# Altium PCB HYDRA_V3_BEACON.PcbDoc (part 1 of 2) (continued)
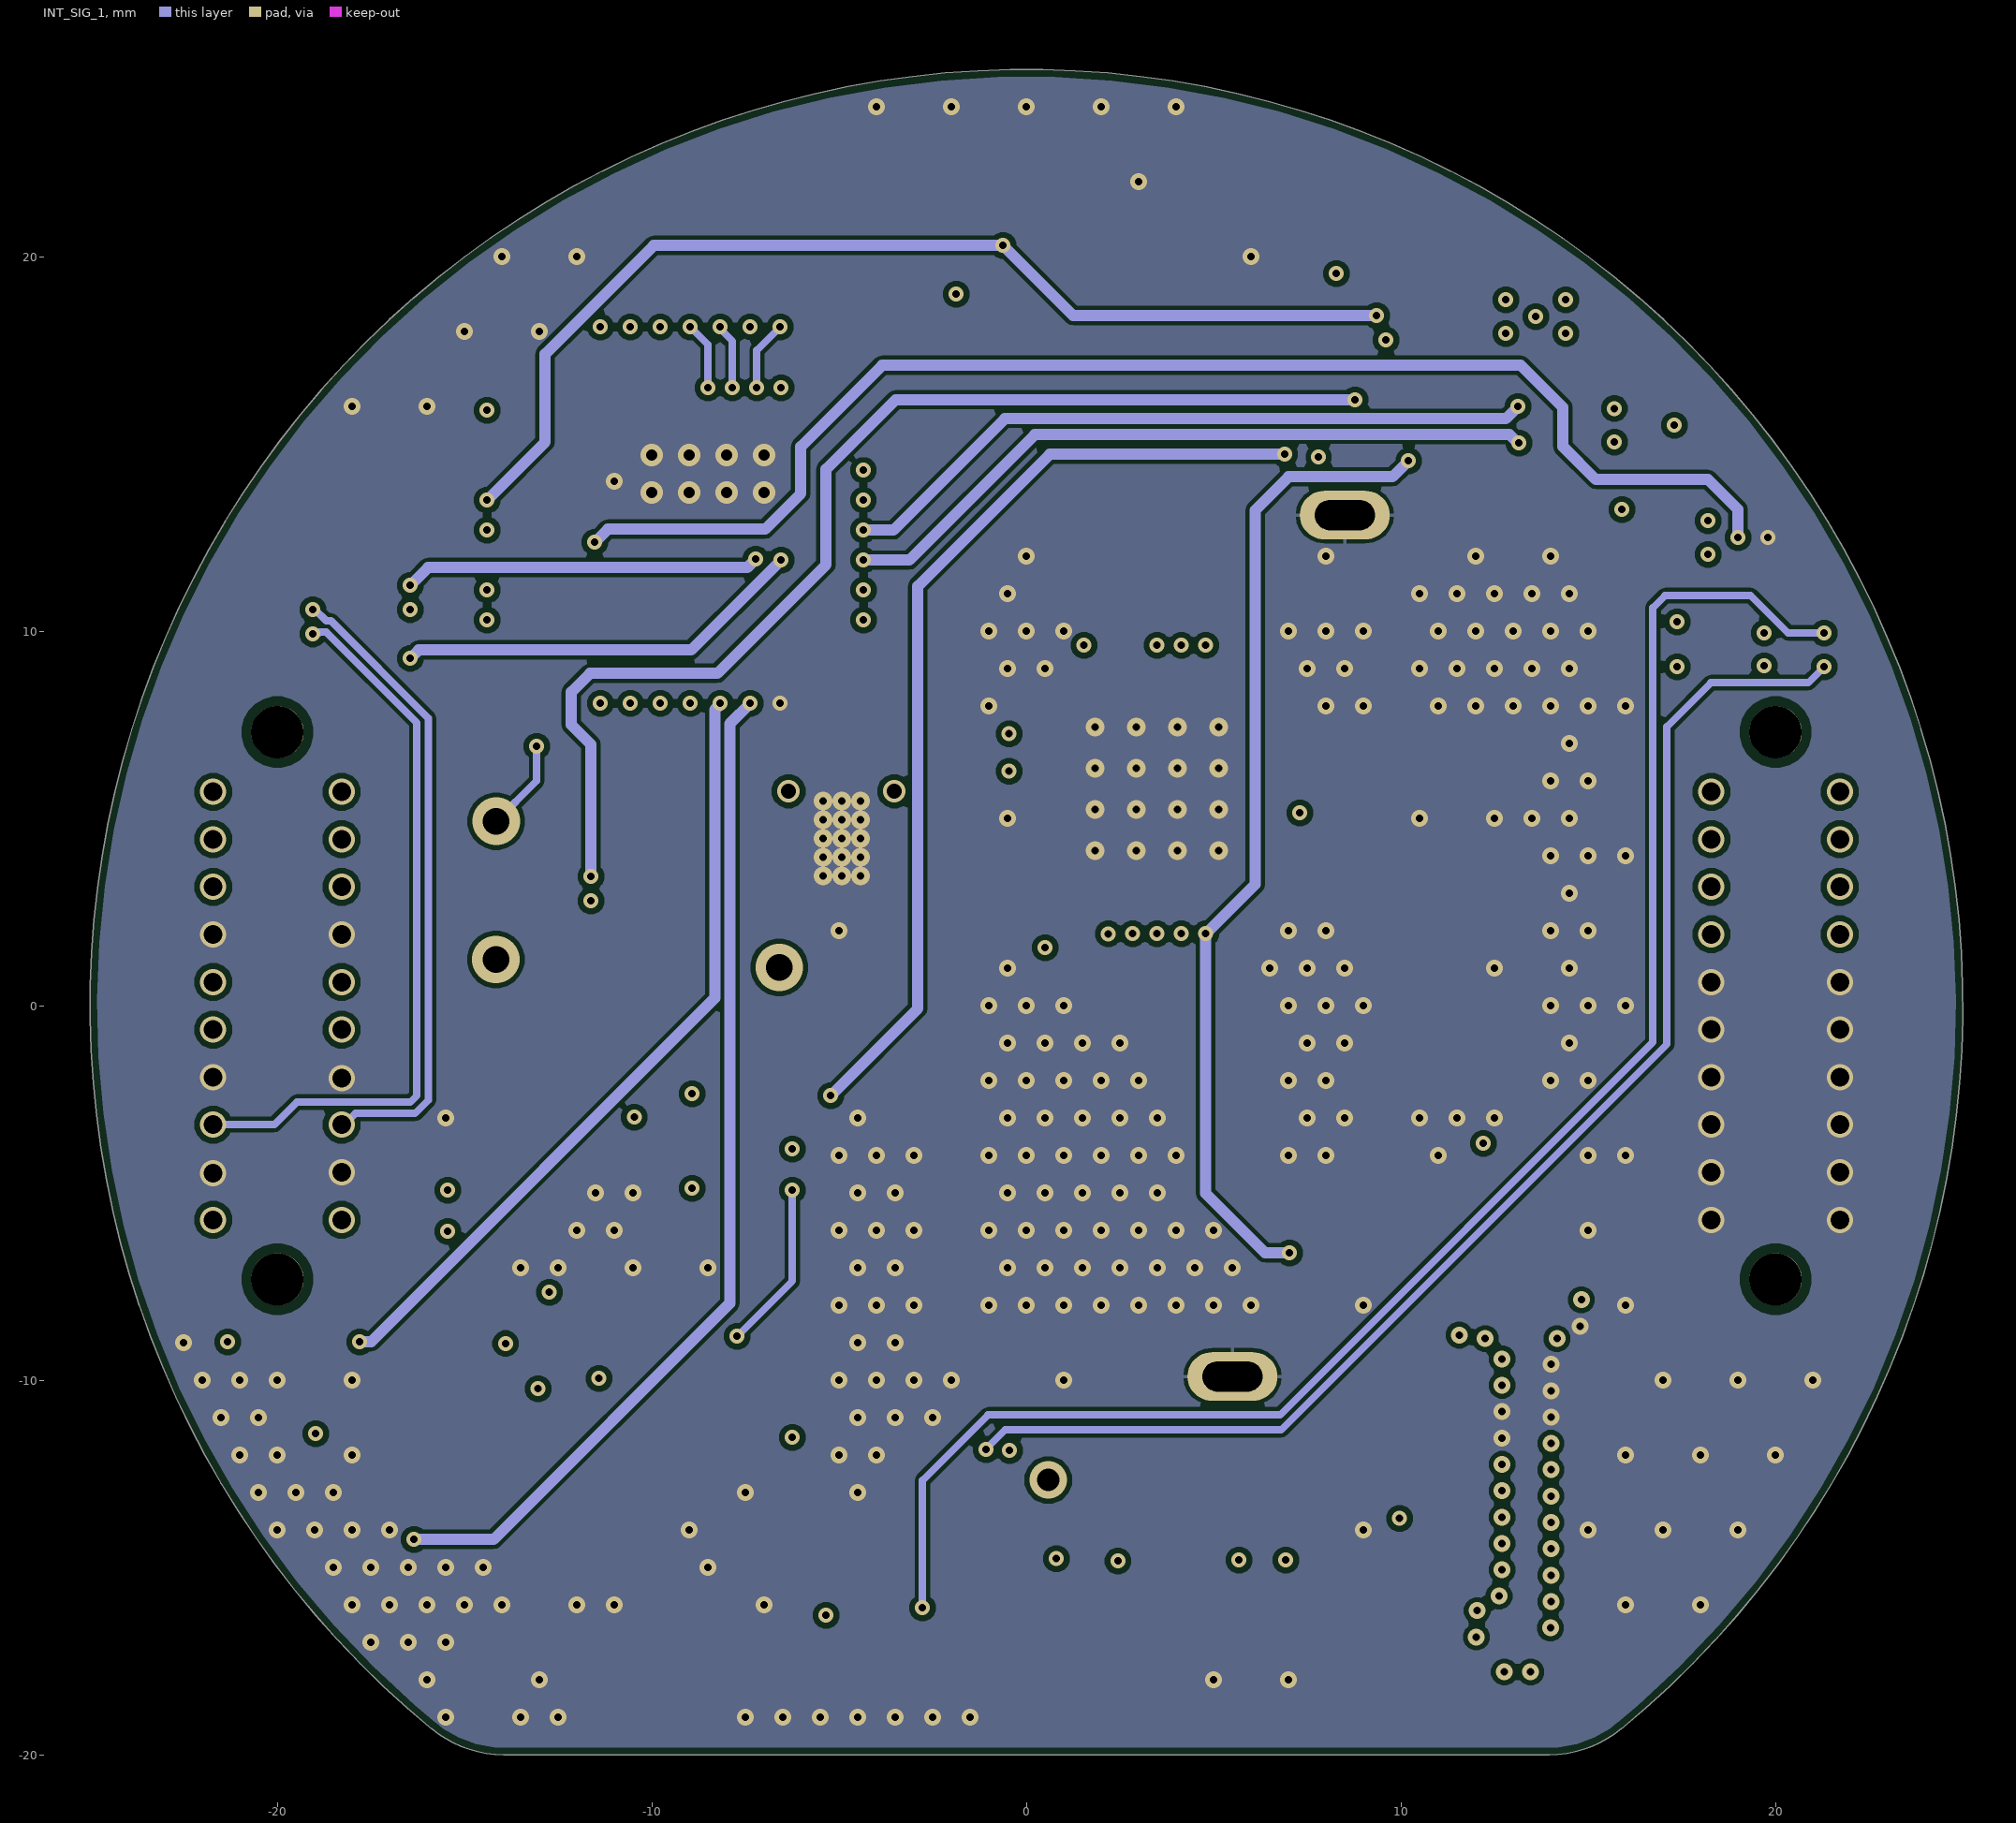
[diagram p4: INT_SIG_1]
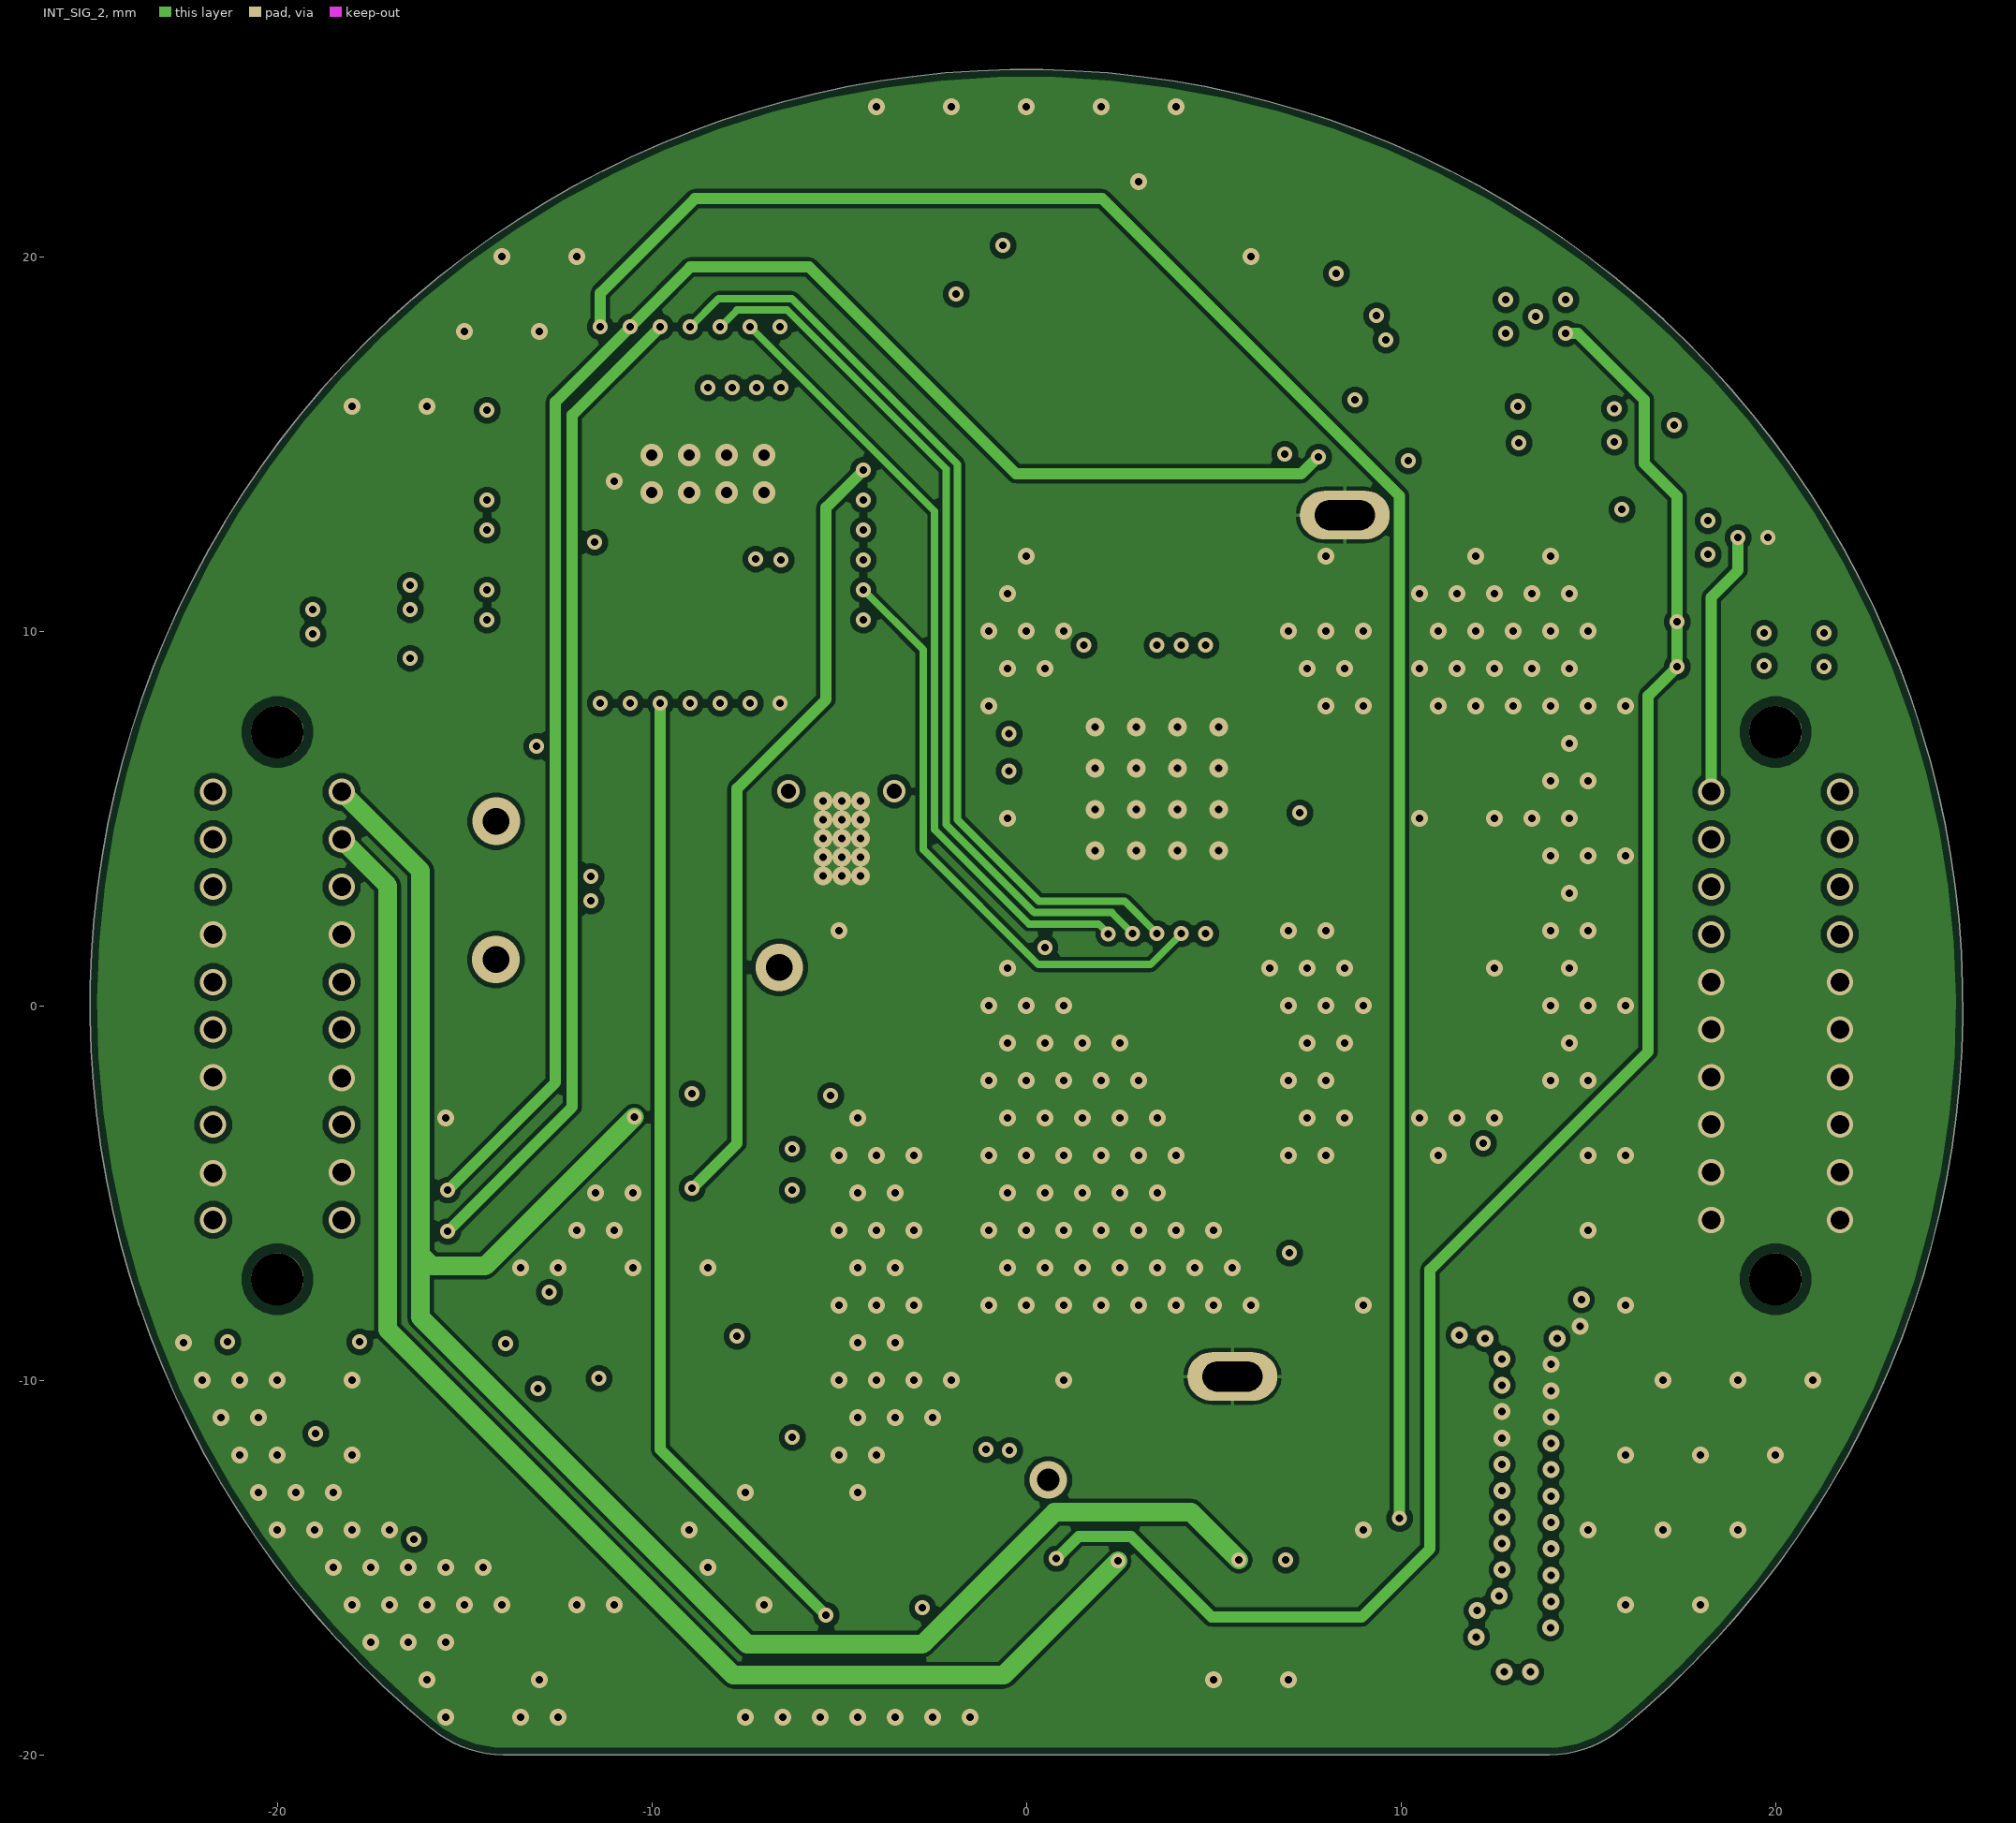
[diagram p5: INT_SIG_2]
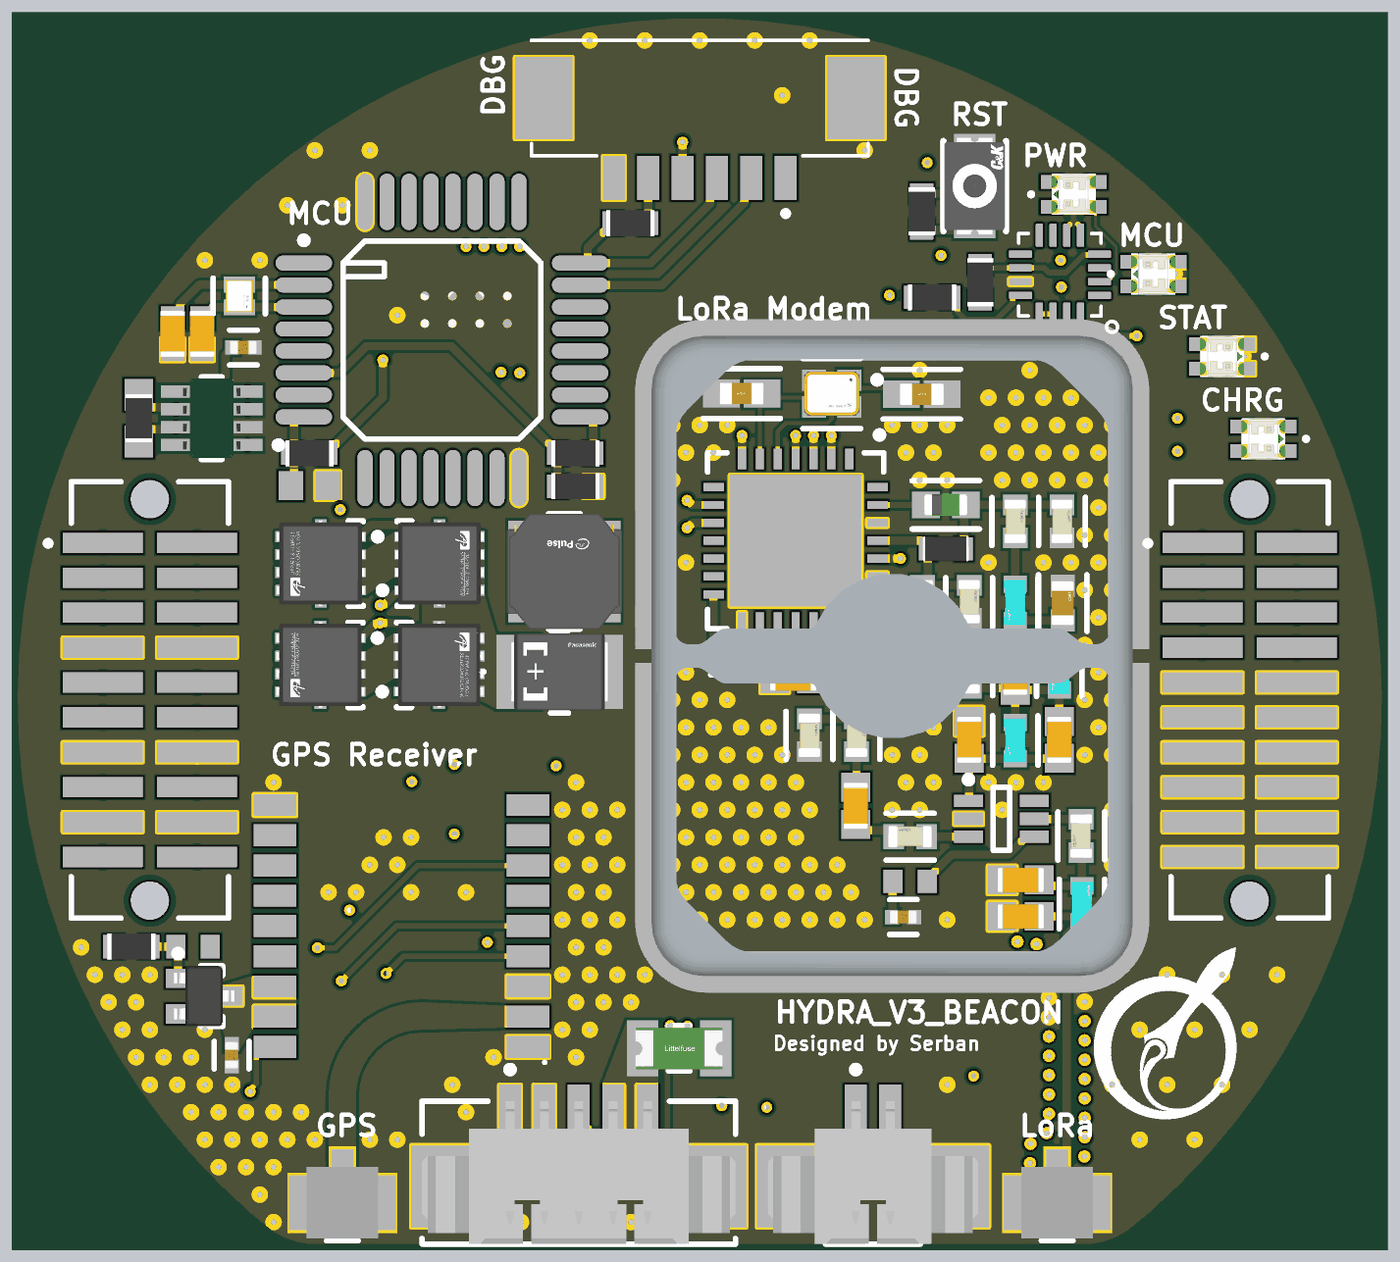
[diagram p7: 3D render of the assembled board from above, using the file's embedded part models]
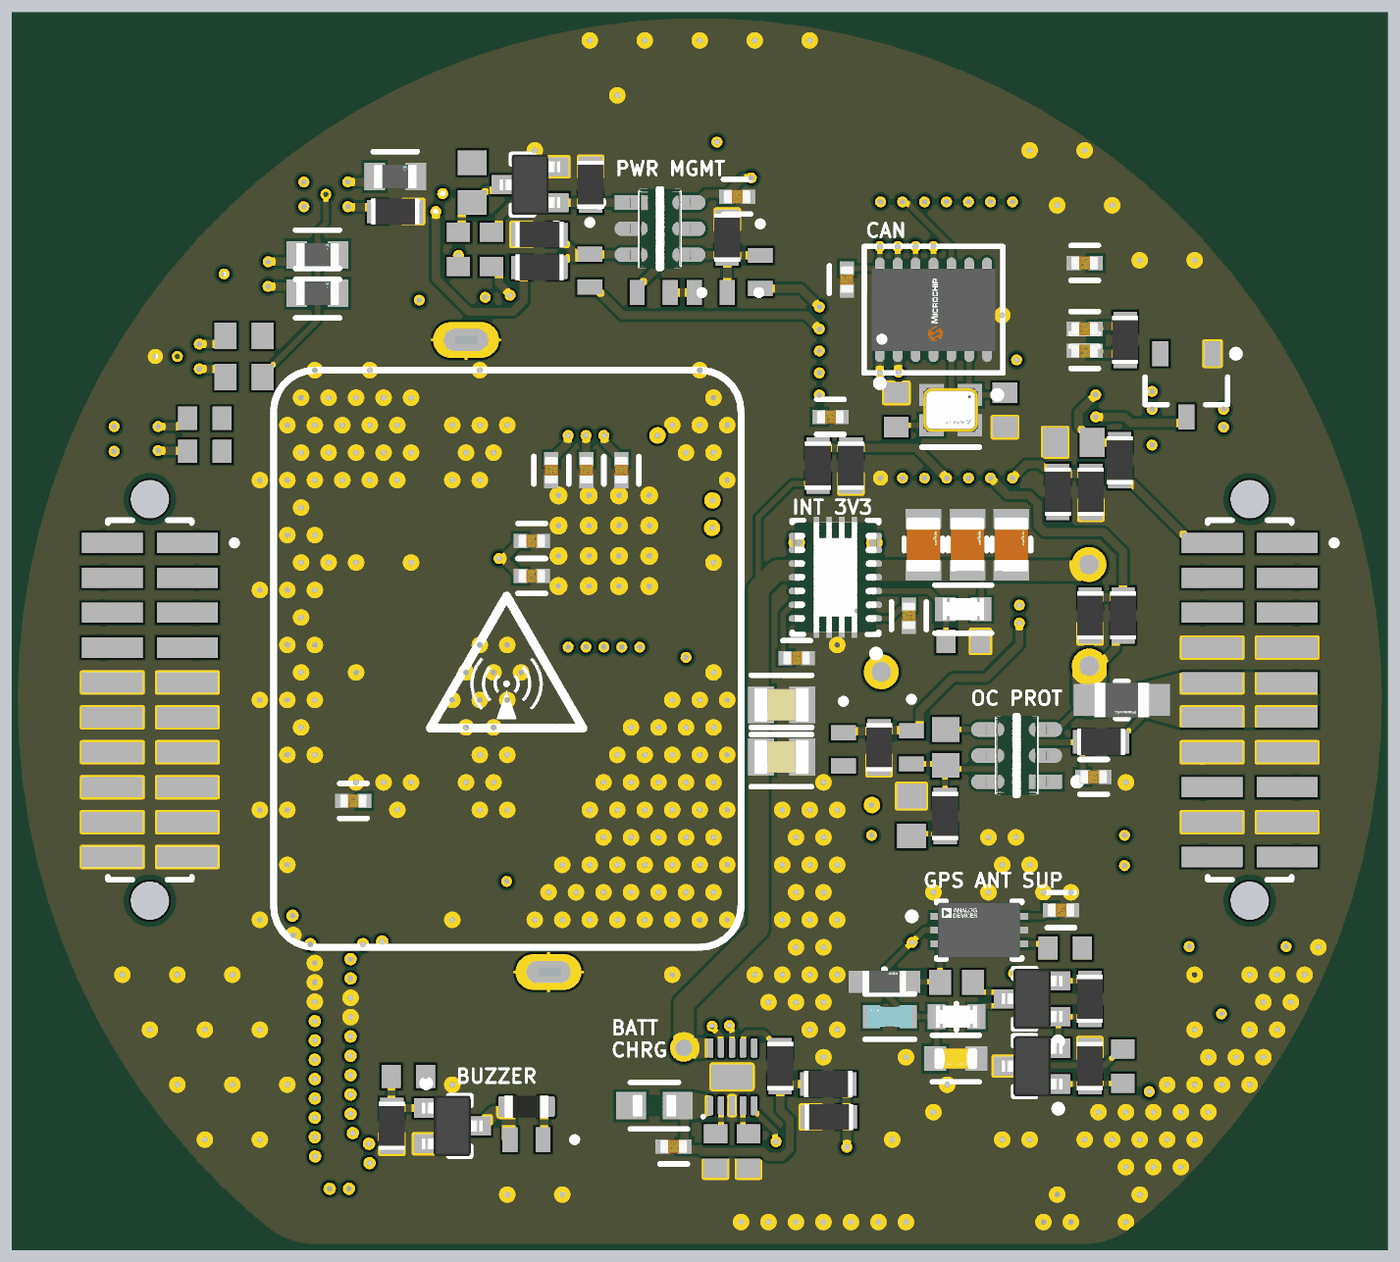
[diagram p8: 3D render of the assembled board from below, using the file's embedded part models]

## Layer stack, top to bottom
Top Solder: solder mask 0.0102, Solder Resist, Dk 3.5
Top Layer: signal copper 0.0356
Dielectric 2: prepreg 0.0711, PP-006, Dk 4.1
GND: signal copper 0.035
Dielectric 4: prepreg 0.0711, PP-006, Dk 4.1
PWR: signal copper 0.035
Dielectric 1: dielectric 0.32, FR-4, Dk 4.8
INT_SIG_1: signal copper 0.035
Dielectric 5: prepreg 0.0711, PP-006, Dk 4.1
INT_SIG_2: signal copper 0.035
Dielectric 3: prepreg 0.0711, PP-006, Dk 4.1
Bottom Layer: signal copper 0.0356
Bottom Solder: solder mask 0.0102, Solder Resist, Dk 3.5

## Board outline
-15.888,-19.298 ccw(c-13.96,-17) -13.96,-20 13.96,-20 ccw(c13.96,-17) 15.888,-19.298 15.868,-19.318 ccw(c0,0)

## Design rules (kind name [scope] priority, off if disabled: settings)
BoardOutlineClearance [All] p1: gap=0.2 ignorepadtopadclearanceinfootprint=FALSE
Clearance [All] p1: gap=0.102 ignorepadtopadclearanceinfootprint=FALSE except(0.127: Arc-Via Track-Via SMDPad-Via THPad-Via Via-Via Via-Fill Via-Poly Via-Region Via-Text; 0.25: Arc-Hole Track-Hole SMDPad-Hole THPad-Hole Via-Hole Fill-Hole Poly-Hole Region-Hole Text-Hole)
ComponentClearance [All] p1: gap=0.102 collisioncheckmode=3 verticalgap=0.102 showdistances=TRUE
DiffPairsRouting [All] p1: maxlimit=0.102 minlimit=0.102 mostfreqgap=0.102 toplayer_minwidth=0.102 toplayer_maxwidth=1816.048 toplayer_prefwidth=0.102 midlayer1_minwidth=0.102 midlayer1_maxwidth=1816.048 midlayer1_prefwidth=0.102 midlayer2_minwidth=0.102 midlayer2_maxwidth=1816.048 midlayer2_prefwidth=0.102 midlayer3_minwidth=0.102 midlayer3_maxwidth=1816.048 midlayer3_prefwidth=0.102 midlayer4_minwidth=0.102 midlayer4_maxwidth=1816.048 midlayer4_prefwidth=0.102 bottomlayer_minwidth=0.102 bottomlayer_maxwidth=1816.048 bottomlayer_prefwidth=0.102 maxuncoupledlength=12.7
Height [All] p1: minheight=0 maxheight=1816.048 prefheight=12.7
HoleSize [All] p1: absolutevalues=TRUE maxlimit=6.3 minlimit=0.2 maxpercent=80.000 minpercent=20.000
HoleToHoleClearance [All] p1: gap=0.25 allowstackedmicrovias=FALSE
MinimumAnnularRing [All] p1: minimumring=0.076
MinimumSolderMaskSliver [All] p1: minsoldermaskwidth=0
PlaneClearance [All] p1: clearance=0.102
PlaneConnect PlaneConnectPowerPads [InPadClass('PowerPads')] p1: planeconnectstyle=Direct reliefexpansion=0.508 reliefentries=4 reliefconductorwidth=0.254 reliefairgap=0.254
PlaneConnect [All] p2: pad.planeconnectstyle=Relief pad.reliefexpansion=0.3 pad.reliefentries=4 pad.reliefconductorwidth=0.102 pad.reliefairgap=0.102 via.planeconnectstyle=Direct via.reliefexpansion=0.3 via.reliefentries=4 via.reliefconductorwidth=0.127 via.reliefairgap=0.127
PolygonConnect PolygonConnectPowerPads [All vs (InPadClass('PowerPads'))] p1: connectstyle=Direct reliefconductorwidth=0.254 reliefentries=4 polygonreliefangle="90 Angle" airgapwidth=0.254
PolygonConnect [All] p2: thpad.connectstyle=Relief thpad.reliefconductorwidth=0.102 thpad.reliefentries=4 thpad.polygonreliefangle="90 Angle" thpad.airgapwidth=0.102 smdpad.connectstyle=Direct smdpad.reliefconductorwidth=0.102 smdpad.reliefentries=4 smdpad.polygonreliefangle="90 Angle" smdpad.airgapwidth=0.102 via.connectstyle=Direct via.reliefconductorwidth=0.127 via.reliefentries=4 via.polygonreliefangle="90 Angle" via.airgapwidth=0.127
RoutingVias [All] p1: holewidth=0.2 width=0.45 viastyle="Through Hole" minholewidth=0.2 minwidth=0.45 maxholewidth=6.3 maxwidth=6.55
SilkToSilkClearance [All] p1: silktosilkclearance=0
SilkToSolderMaskClearance [IsPad] p1: minsilkscreentomaskgap=0.102 clearancetoexposedcopper=TRUE
SolderMaskExpansion [All] p1: expansion=0.075 istentingtop=FALSE
Width [All] p1: maxlimit=1816.048 minlimit=0.102 preferedwidth=0.102
20 further rules are at their usual default settings.

## Classes and differential pairs
component class RADIO: C12 C17 C18 C19 C20 C21 C22 C23 C24 C25 C26 C27 C28 C29 C30 C31 C32 C33 C34 C35 C36 C37 C38 C46 C47 C48 C50 J6 L2 L3 L4 L5 L6 L7 L8 MP1 R34 TP2 TP3 TP4 U8 U9 Y3
component class PWR_MGMT: C39 C40 C41 C42 C43 C45 C51 C52 C53 C54 D3 D4 D9 D10 D11 L9 Q9 Q11 Q13 R14 R35 R36 R37 R38 R39 R41 R43 R44 R45 R47 R48 R49 R51 R52 R56 R57 R59 R60 R61 U10 U11 U13
component class GPS: C8 C9 C10 J5 L1 Q5 Q6 Q7 R2 R7 R26 R27 R28 R29 R30 R31 R32 TP1 U6 U7
component class CAN_FD: C4 C5 C6 C7 R1 U2 U5 Y1
component class OC_PROT: C16 D5 D6 F1 Q3 Q4 R11 R12 R13 R15 R16 R17 U4
component class MCU_PINOUT: C1 C2 C3 C11 C13 C14 D1 D2 D7 D12 P3 Q14 R3 R4 R5 R6 R8 R9 R10 R18 R19 R20 R21 R22 R23 R24 R25 R62 R63 R66 SW1 U1 Y2
component class HYDRA_V3_BEACON: D13 F2 J1 J2 J3 J4 P1 P2 R33 R40 R64 R65 U14
differential pair CAN0: +CAN0_P -CAN0_N

## Components (designator, comment, footprint, x,y, rotation, side; value= is the part's Value field where it differs from the comment)
C1 "C0402C104K8PACTU" FP-C0402-BB-MFG -14,15.9 r0 bottom value="0.10 μF"
C2 "C0402C104K8PACTU" FP-C0402-BB-MFG -14,12.7 r0 bottom value="0.10 μF"
C3 "C0402C104K8PACTU" FP-C0402-BB-MFG -4.75,10.3 r180 bottom value="0.10 μF"
C4 "C0402C104K8PACTU" FP-C0402-BB-MFG -5.35,15.3 r90 bottom value="0.10 μF"
C5 "C0402C104K8PACTU" FP-C0402-BB-MFG -16.6,12.825 r180 top value="0.10 μF"
C6 "VJ0603D6R8CXPAJ" CAPC1608X92X38LL15T08 -11.1,10.55 r90 bottom
C7 "VJ0603D6R8CXPAJ" CAPC1608X92X38LL15T08 -7.15,10.55 r270 bottom
C8 "C0402C104K8PACTU" FP-C0402-BB-MFG -17.025,-12.925 r270 top value="0.10 μF"
C9 "CC0603KRX7R9BB103" FP-CC0603-DA-MFG -9.313,-13.05 r180 bottom value="10 nF"
C10 "C0402C104K8PACTU" FP-C0402-BB-MFG -13.137,-7.65 r180 bottom value="0.10 μF"
C11 "C0402C104K8PACTU" FP-C0402-BB-MFG -14,13.5 r0 bottom value="0.10 μF"
C12 "C1608C0G1H080D080AA" FP-C1608-080-0_1-IPC_A 8.075,11.125 r180 top
C13 "CC0603JRNPO9BN180" CAPC1608X90X40LL10T20 -19.175,13.325 r90 top
C14 "CC0603JRNPO9BN180" CAPC1608X90X40LL10T20 -18.1,13.325 r90 top
C16 "C0402C104K8PACTU" FP-C0402-BB-MFG -14.325,-2.8 r180 bottom value="0.10 μF"
C17 "C1608C0G1H080D080AA" FP-C1608-080-0_1-IPC_A 1.525,11.15 r0 top
C18 "C0402C104K8PACTU" FP-C0402-BB-MFG 4.125,8.36 r270 bottom value="0.10 μF"
C19 "C0402C104K8PACTU" FP-C0402-BB-MFG 0.9,1.55 r0 top value="0.10 μF"
C20 "C0402C104K8PACTU" FP-C0402-BB-MFG 6.11,4.51 r180 bottom value="0.10 μF"
C21 "C0402C104K8PACTU" FP-C0402-BB-MFG 6.11,5.785 r180 bottom value="0.10 μF"
C22 "C0402C104K8PACTU" FP-C0402-BB-MFG 5.4,8.36 r270 bottom value="0.10 μF"
C23 "C0402C104K8PACTU" FP-C0402-BB-MFG 2.85,8.36 r270 bottom value="0.10 μF"
C24 "C0603C470J1GACTU" FP-C0603C-CF-MFG 13.875,-4.95 r90 top value="47 pF"
C25 "0603 CAP" CAPC1608X90X40ML10T20 11.675,-7.875 r0 top
C26 "0603 CAP" CAPC1608X90X40ML10T20 11.675,-6.55 r0 top
C27 "C0402C104K8PACTU" FP-C0402-BB-MFG 7.4,-7.9 r0 top value="0.10 μF"
C28 "C0402C104K8PACTU" FP-C0402-BB-MFG 12.6,-3.675 r0 bottom value="0.10 μF"
C29 "0603 CAP" CAPC1608X90X40ML10T20 11.475,1.025 r270 top
C30 "0603 CAP" CAPC1608X90X40ML10T20 13.075,-1.45 r270 top
C31 "C0603C220J5GACTU" FP-C0603C-CF-MFG 11.476,6.5 r270 top value="22 pF"
C32 "0603 CAP" CAPC1608X90X40ML10T20 5.675,-3.85 r270 top
C33 "C0603C470J1GACTU" FP-C0603C-CF-MFG 5.701,-1.288 r270 top value="47 pF"
C34 "C0603C470J1GACTU" FP-C0603C-CF-MFG 7.65,-4.975 r0 top value="47 pF"
C35 "C0603C339C5GACTU" FP-C0603C-CF-MFG 9.8,1.025 r90 top value="3.3 pF"
C36 "C0603C829C5GACTU" FP-C0603C-CF-MFG 13.175,6.5 r270 top value="8.2 pF"
C37 "06031A6R8CAT2A" FP-0603-L_1_6_0_15-W_0_81-IPC_C 13.2,3.525 r90 top
C38 "C0603C339C5GACTU" FP-C0603C-CF-MFG 3.988,-1.288 r270 top value="3.3 pF"
C39 "C0402C104K8PACTU" FP-C0402-BB-MFG 0.95,-16.25 r0 bottom value="0.10 μF"
C40 "C0805C106K8PACTU" FP-C0805C-DG-MFG -2.975,-2.075 r180 bottom value=10uF
C41 "C0805C106K8PACTU" FP-C0805C-DG-MFG -2.975,-0.175 r180 bottom value=10uF
C42 "GRM21BR60J226ME39L" FP-GRM21B-0_15-MFG -9.735,5.655 r90 bottom
C43 "GRM21BR60J226ME39L" FP-GRM21B-0_15-MFG -8.135,5.655 r90 bottom
C45 "4TPE100MZB" FP-POSCAP-B2-MFG -5.1,1.025 r180 top
C46 "0603 CAP" CAPC1608X90X40ML10T20 9.8,-1.45 r270 top
C47 "0603 CAP" CAPC1608X90X40ML10T20 3.4,0.775 r0 top
C48 "C0603C103J3GACTU" FP-C0603C-CF-MFG 8.1,3.575 r270 top value="10,000 pF"
C50 "C0603C470J1GACTU" FP-C0603C-CF-MFG 9.8,3.575 r270 top value="47 pF"
C51 "GRM21BR60J226ME39L" FP-GRM21B-0_15-MFG -11.335,5.655 r90 bottom
C52 "C0402C104K8PACTU" FP-C0402-BB-MFG -3.525,1.525 r180 bottom value="0.10 μF"
C53 "C0402C104K8PACTU" FP-C0402-BB-MFG -7.605,3.063 r270 bottom value="0.10 μF"
C54 "C0402C104K8PACTU" FP-C0402-BB-MFG -1.36,18.313 r180 bottom value="0.10 μF"
D1 "150066RG54050" WL-SBCD_0606 13.6,18.4 r90 top
D2 "150066RG54050" WL-SBCD_0606 16.5,15.5 r90 top
D3 "150066RG54050" WL-SBCD_0606 20.5,9.5 r270 top locked
D4 "TS4148RCG" TS4148RCG-Footprint-1 -0.4,14.825 r0 bottom
D5 "TS4148RCG" TS4148RCG-Footprint-1 -7.7,-1.725 r270 bottom
D6 "TS4148RCG" TS4148RCG-Footprint-1 -5.225,-1.8 r270 bottom
D7 "BZX84-A3V3,215" SOT95P230X110-3N -17.7,11.45 r270 bottom
D9 "TS4148RCG" TS4148RCG-Footprint-1 1.675,14.825 r0 bottom
D10 "TS4148RCG" TS4148RCG-Footprint-1 -2.2,15.575 r270 bottom
D11 "TS4148RCG" TS4148RCG-Footprint-1 4,15.625 r270 bottom
D12 "TS4148RCG" TS4148RCG-Footprint-1 6.3,-16 r0 bottom
D13 "150066RG54050" WL-SBCD_0606 19,12.5 r270 top
F1 "0603SFS100F/32-2" FP-0603SFS-MFG 1.651,-14.764 r180 bottom value=0.2Ω
F2 "0466003.NR" FP-0466-MFG -0.75,-12.675 r0 top value=0.019Ω
J1 "SFML-110-02-L-D-A" SFML-110-02-L-D-A-Footprint-1 -20,0 r270 bottom locked
J2 "SFML-110-02-L-D-A" SFML-110-02-L-D-A-Footprint-1 20,0 r270 bottom
J3 "TFML-110-02-L-D-A" TFML-110-02-L-D-A-Footprint-1 -20,0 r270 top
J4 "TFML-110-02-L-D-A" TFML-110-02-L-D-A-Footprint-1 20,0 r270 top
J5 "U.FL-R-SMT(10)" FP-U_FL-R-SMT_10-MFG -13,-18.3 r0 top
J6 "U.FL-R-SMT(10)" FP-U_FL-R-SMT_10-MFG 13,-18.3 r0 top
L1 "LQW18AN27NJ00D" FP-LQW18AN_00-MFG -6.913,-11.525 r0 bottom
L2 "0603 IND" FP-LQW18AN_00-MFG 13.9,-7.425 r90 top
L3 "LQG18HN1N5S00D" FP-LQG18HH_00-IPC_B 8.95,7.1 r0 top
L4 "LQW18AN5N6D00D" FP-LQW18AN_00-MFG 11.475,3.55 r270 top
L5 "LQW18AN5N6D00D" FP-LQW18AN_00-MFG 13.075,1.025 r270 top
L6 "LQW18AN10NG00D" FP-LQW18AN_00-MFG 5.7,0.975 r270 top
L7 "0603 IND" FP-LQW18AN_00-MFG 11.475,-1.475 r270 top
L8 "B82496C3330J" INDC1608X90X30LL10T20 8.95,5.5 r0 top
L9 "PA4332.102NLT" FP-PA4332-MFG -4.925,4.675 r180 top
MP1 "3670233_MOD" 3670233 7,1.6 r90 top
P1 "53261-0271" MOLX-53261-0271_V 6.3,-16.25 r0 top
P2 "53261-0571" MOLX-52361-0571-5_V -4.4,-14.8 r0 top
P3 "0532610671" 0532610671-Footprint-1 0,19 r180 top locked
Q3 "SISH615ADN-T1-GE3" SISH615ADN-T1-GE3-Footprint-1 -13.8,1.238 r90 top
Q4 "SISH615ADN-T1-GE3" SISH615ADN-T1-GE3-Footprint-1 -9.475,1.315 r270 top
Q5 "DMG1013UW-7" DIOD-SOT323-3_V -18.025,-10.775 r0 top
Q6 "DMG1013UW-7" DIOD-SOT323-3_V -12.087,-10.875 r0 bottom
Q7 "BSS138W-7-F" DIOD-SOT323-3_V -12.087,-13.325 r0 bottom
Q9 "BSS138W-7-F" DIOD-SOT323-3_V 6.171,18.75 r0 bottom